# KiCad board mtk64_R_rev2.kicad_pcb (continued)
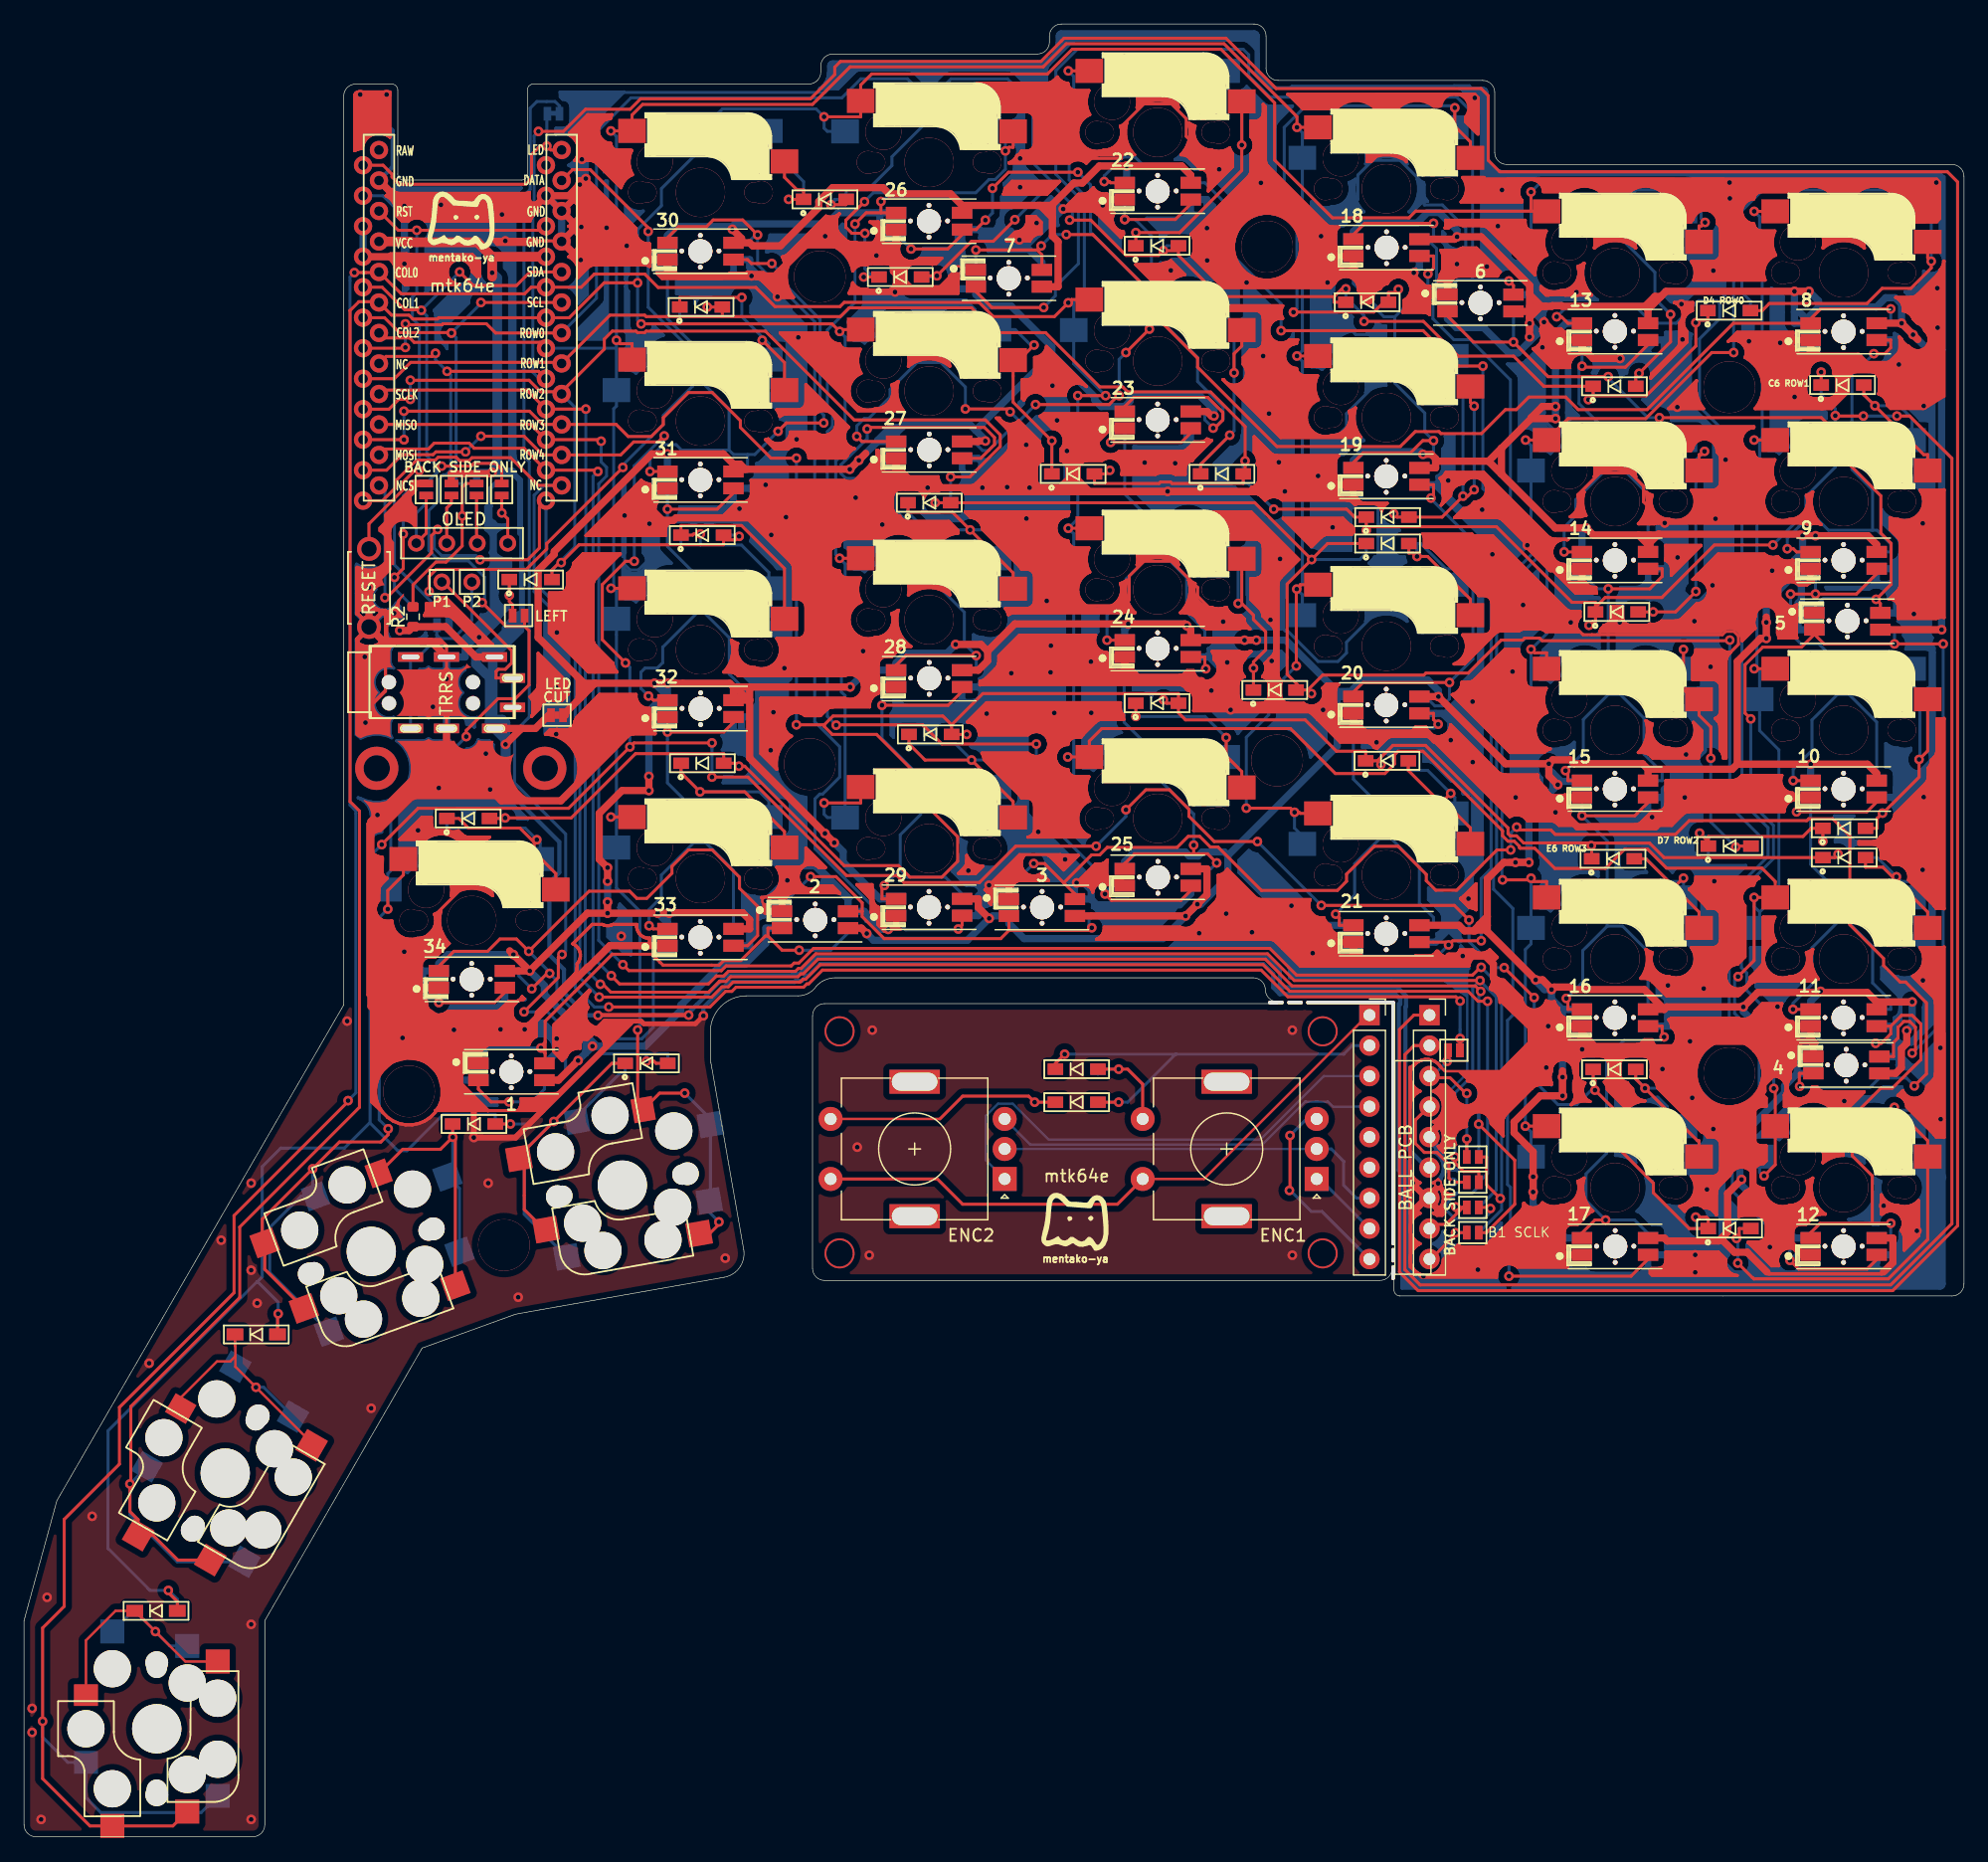
[diagram p0: board, top side]
## Routing (per net, layer and track width the routed paths; a pad name or vN(x,y) marks a point on that pad's centre or on a via; arc(x,y) is an arc through that point) (continued)
B1_SCLK: length 173.2
  Top w0.25: 57.93,71.25 57.91,71.23 ; 57.93,71.25 58.48,71.25 58.88,71.64 64.48,71.64 64.72,71.88 64.93,71.88 66.15,73.1 103.42,73.1 105.65,70.88 120.91,70.88 v5(121.37,70.42) ; 57.93,71.25 57.04,70.36 48.89,70.36 48.23,71.02 v2(48.02,71.02) ; v2(46.81,118.93) 43.5,118.93 v6(43.49,118.92) 41.89,120.51 29.9,120.51 v6(29.57,120.19) ; 121.21,50.33 121.85,50.33 121.85,50.34 124.2,52.69 124.2,56.36 v2(121.2,59.36)
  Bottom w0.2: 121.25,61.82 121.21,61.62 ; 121.21,62.23 121.25,62.03
  Bottom w0.25: 121.21,63.12 121.21,70.27 v5(121.37,70.42) ; 121.21,63.12 121.2,63.11 v2(121.2,59.36) ; 121.21,63.12 121.21,56.63 ; v2(48.02,71.02) 46.76,72.28 46.76,101.78 46.81,101.83 v2(46.81,118.93) ; 121.21,56.63 121.21,56.18 121.21,56.63
B2_MOSI: length 183.4
  Top w0.25: 119.45,51.99 118.48,51.01 117.21,51.01 116.87,50.67 116.87,51.19 ; 119.45,51.99 119.89,52.43 ; 119.45,51.99 119.28,52.15 v2(119.28,52.47) 119.52,52.47 119.57,52.43 119.89,52.43 ; 119.89,52.43 120.21,52.43 ; v6(29.57,115.11) 30.07,115.6 33.69,115.6 34.18,116.09 37.09,116.09 37.51,115.66 41.66,115.66 v6(43.49,113.84) 47.7,113.84 v2(47.81,113.73) ; v5(121.31,71.33) 105.84,71.33 103.61,73.55 65.97,73.55 64.75,72.33 64.51,72.33 64.28,72.09 58.69,72.09 58.29,71.7 57.7,71.7 ; 57.7,71.7 57.68,71.7 57.03,71.04 49.62,71.04 v2(48.93,71.73) ; 57.7,71.7 57.69,71.7 57.69,71.7 57.62,71.64 ; v2(119.21,56.63) 119.21,56.15 119.94,55.42 121.21,55.42 121.21,55.42 121.21,54.53
  Bottom w0.2: 119.21,61.62 119.18,61.82 119.18,61.89
  Bottom w0.25: v2(119.21,56.63) 119.23,56.64 119.23,61.97 120.7,63.44 120.7,70.72 v5(121.31,71.33) 121.48,71.15 121.48,71.13 122.66,69.95 122.66,53.88 121.21,52.43 ; v2(48.93,71.73) 47.41,73.25 47.41,113.33 v2(47.81,113.73) ; v2(119.28,52.47) 119.33,52.43 120.21,52.43
B3_MISO: length 171.9
  Top w0.25: v5(121.41,72.43) 121.34,72.43 120.69,71.78 106.02,71.78 103.8,74 65.78,74 64.56,72.78 64.16,72.78 63.93,72.54 58.5,72.54 58.1,72.15 58.1,72.15 50.39,72.15 v2(49.9,72.65) ; v6(29.57,117.65) 42.22,117.65 v6(43.49,116.38) 47.96,116.38 48.08,116.25 ; 120.21,50.77 120.21,50.33 119.57,50.33 119.56,50.32 119.27,50.32 119.27,50.16 118.66,49.55 118.66,49.55 117.23,48.13 116.66,48.13 ; 123,53.17 121.85,54.31 121.85,56.63 121.21,56.63
  Bottom w0.25: v5(121.41,72.43) 123.11,70.73 123.11,53.11 ; 123.11,53.11 123.11,52.23 121.21,50.33 ; 123.11,53.11 123.05,53.11 123,53.17 ; v2(49.9,72.65) 47.88,74.66 47.88,112.7 48.54,113.35 48.54,114.07 48.08,114.53 48.08,116.25 ; 120.21,50.33 119.57,50.33 119.56,50.32 119.27,50.32
  vias: v2(48.08,116.25) v2(119.27,50.32)
B5_ENC: length 160.9
  Top w0.25: v5(118.58,64.6) 118.58,65.25 ; 116.95,63.22 118.44,63.22 ; v6(44.79,112.57) 42.85,112.57 40.55,114.87 37.32,114.87 37.09,114.64 36.28,114.64 36.01,114.91 34.5,114.91 34.27,114.68 32.71,114.68 31,112.97 31,112.42 29.88,111.3 v6(28.25,111.3) ; v2(120.21,61.93) 120.31,61.83 ; v2(120.21,58.13) 120.21,56.63 ; v5(119.65,69.62) 119.3,69.97 105.3,69.97 103.08,72.2 66.53,72.2 65.38,71.05 65.22,71.05 64.95,70.77 59.32,70.77 58.98,70.42 58.45,70.42 57.15,69.12 v5(48.73,69.12) ; 118.35,63.22 118.75,63.22 ; 118.82,63.22 120.27,61.78 ; v5(119.65,66.5) 119.65,65.82 ; 118.64,65.53 118.64,65.53
  Bottom w0.25: v2(120.21,61.93) v2(120.21,58.13) 120.21,56.63 ; v5(48.73,69.12) 47.52,69.12 45.93,70.72 45.93,100.3 42.5,103.72 42.5,111.76 ; v5(119.65,69.62) v5(119.65,66.5) 119.65,65.75 ; 118.64,65.53 118.64,65.53 ; 43.33,112.57 42.5,111.74 ; 117.08,63.37 117.34,63.37 v5(118.58,64.6) 118.58,65.22 ; 44.9,112.57 43.45,112.57 ; 119.64,65.08 119.64,65.53 119.64,65.08
B6_NCS: length 12.5
  Top w0.2: 115.93,59.71 115.96,59.71 117.08,60.83
  Top w0.25: 120.14,54.53 v2(119.05,54.53) 118.72,54.86 118.72,56.02 117.73,57 116.67,57 115.93,57.75 115.93,59.71 116.87,60.65 116.87,60.83
  Bottom w0.25: 119.05,54.53 120.21,54.53
  vias: v2(122.18,52.34) v6(29.57,112.57)
C6_ROW1: length 324.1
  Top w0.25: 101.59,113.53 101.59,113.28 ; 101.59,113.28 101.59,112.73 95.65,112.73 95.53,112.85 94.69,112.85 94.56,112.73 89.19,112.73 89.19,113.53 90.16,113.53 v2(90.46,113.83) ; 101.59,113.28 101.74,113.43 101.74,117.47 98.86,120.35 91.96,120.35 91.54,120.77 89.63,120.77 85.12,125.29 81.01,125.29 78.94,127.36 68.74,127.36 68.01,126.63 58.18,126.63 ; v5(153.25,118.35) 150.95,118.35 v5(150.91,118.38) ; 111.84,109.13 111.84,109.93 110.86,109.93 110.2,110.59 104.13,110.59 ; 111.84,109.13 122.68,109.13 128.98,102.83 130.94,102.83 130.94,102.43 ; 111.84,109.13 v2(111.84,108.83) ; v2(130.39,100.92) 130.7,101.23 130.94,101.23 130.94,102.43 ; 130.94,102.43 131.74,103.23 136.46,103.23 140.83,107.6 v2(145.72,107.6) ; v5(156.05,118.35) 157.1,118.35 160.63,114.82 160.63,51.07 155.53,45.97 116.32,45.97 115.05,47.25 115.05,65.15 115.81,65.91 117.08,65.91 ; v6(28.25,121.46) 30.86,121.46 32.22,122.82 44.7,122.82 v6(44.79,122.73) 48.82,126.75 51.72,126.75 51.84,126.63 58.18,126.63 ; 149.74,120.93 v2(149.74,122.01) ; 58.18,126.63 58.18,127.43 v2(56.93,127.43)
  Bottom w0.25: 89.19,113.53 90.16,113.53 v2(90.46,113.83) ; 104.13,110.59 101.99,112.73 101.59,112.73 101.59,114.46 101.74,114.61 ; v2(145.72,107.6) 148.46,110.35 148.46,111.64 150.91,114.09 v5(150.91,118.38) 150.91,118.95 149.74,120.13 v2(149.74,122.01) ; 130.94,102.03 130.94,101.23 130.7,101.23 v2(130.39,100.92) ; 58.18,127.43 v2(56.93,127.43) ; v5(156.05,118.35) v5(153.25,118.35) ; 111.84,109.93 v2(111.84,108.83)
  vias: v2(101.74,114.61) v2(104.13,110.59)
F7_COL3: length 448.1
  Top w0.25: 31.61,81.45 31.61,80.12 30.31,78.82 30.31,77.28 ; 41.71,101.73 41.71,100.83 ; 41.71,100.83 40.16,100.83 38.17,102.81 ; 41.71,100.83 42.08,100.46 42.08,95.95 40.93,94.8 39.49,94.8 36.84,92.15 v2(36.84,91.64) ; 34.28,123.57 34.02,123.31 30.16,123.31 v6(29.57,122.73) ; v5(30.34,58.97) 30.34,58.49 29.73,57.88 26.28,57.88 v5(24.05,55.65) 19.85,51.45 19.85,50.47 ; 117.08,68.45 115.8,68.45 114.6,67.25 114.6,47.05 116.15,45.5 155.7,45.5 161.1,50.9 161.1,137.85 160.25,138.7 122.95,138.7 122,139.65 122,145.03 121.41,145.62 104.33,145.62 100.14,149.82 86.65,149.82 86.43,149.59 86.43,149.59 84.73,147.88 68.03,147.88 67.55,147.41 67.55,146.79 65.53,144.78 51.38,144.78 50.5,143.9 46.79,143.9 44.94,142.06 v5(42.86,142.06) ; SW2#2.1 20.06,47.28 SW2#2.2 ; v6(43.49,121.46) 42.87,122.07 v2(35.25,122.07)
  Bottom w0.25: 42.5,141.69 v5(42.86,142.06) ; v2(36.84,91.64) 30.56,85.36 30.56,80.48 30.31,80.23 30.31,77.28 29.6,76.57 29.6,59.72 v5(30.34,58.97) ; 34.28,123.57 34.28,123.04 v2(35.25,122.07) 35.55,121.77 35.55,113.84 35.16,113.45 34.94,113.45 34.56,113.07 34.56,111.3 33.73,110.47 33.73,107.15 34.6,106.28 37.02,106.28 38.38,104.92 38.38,103.02 38.17,102.81 ; SW2#2.2 20.48,47.01 20.48,50.75 23.07,53.35 SW2#2.2 24.05,53.58 v5(24.05,55.65) ; 42.93,121.47 43.61,121.47 ; 42.5,141.64 42.5,135.45 ; 42.88,121.5 42.39,122 42.39,135.31 42.51,135.43
  vias: v2(30.31,77.28) v2(34.28,123.57) v2(38.17,102.81)
LED: length 125.1
  Top w0.25: v6(28.25,139.24) 29.91,139.24 30.66,138.49 30.66,138.26 31.27,137.65 41.81,137.65 42.29,138.13 42.29,140.13 42.99,140.84 v2(43.56,140.84) ; v6(44.79,140.51) 43.89,140.51 v2(43.56,140.84) ; v2(40.41,61.22) 38.92,61.22 37.86,62.28 37.86,63.03 ; 37.86,62.63 37.86,63.03 ; 37.86,63.03 37.77,62.93 ; v5(41.66,68.71) 44.52,71.57 44.52,73.26 44.75,73.5 v5(44.82,73.5) ; v2(43.56,140.84) 43.54,140.86
  Bottom w0.25: 44.25,143.54 44.63,143.54 44.63,143.72 ; 40.34,61.22 v2(40.41,61.22) 42.3,61.22 43.36,62.28 43.36,63.03 44.46,63.03 45.12,63.68 45.12,67.21 43.61,68.71 v5(41.66,68.71) ; 43.59,143.53 43.56,143.49 v2(43.56,140.84) ; v5(44.82,73.5) 45.13,73.8 45.13,83.52 40.86,87.79 40.86,92.03 42.1,93.27 42.1,114.56 41.65,115 41.65,136.71 42.18,137.23 42.18,143.99 42.72,144.54 44.24,144.54 44.63,144.16 44.63,143.53
  Bottom w0.4: 43.7,143.57 44.5,143.57

## Copper pours and planes (outline as drawn; the poured copper is in the pictures)
GND on Top (solid shape): 35.41,71.23 33.71,71.23 33.71,70.23 35.41,70.23
GND on Top (solid shape): 36.25,98.68 34.15,98.68 34.15,97.88 36.25,97.88
GND on Top (solid shape): 36.25,92.73 34.15,92.73 34.15,91.93 36.25,91.93
GND on Top (solid shape): 38.71,64.93 37.01,64.93 37.01,63.93 38.71,63.93
GND on Top (solid shape): 48.85,67.95 50.6,67.95 49.05,66.5 48.8,68
GND on Top (solid shape): 54.46,131.88 52.76,131.88 52.76,130.88 54.46,130.88
GND on Top (solid shape): 54.46,112.83 52.76,112.83 52.76,111.83 54.46,111.83
GND on Top (solid shape): 54.46,93.78 52.76,93.78 52.76,92.78 54.46,92.78
GND on Top (solid shape): 54.46,74.73 52.76,74.73 52.76,73.73 54.46,73.73
GND on Top (solid shape): 64.01,77.59 62.31,77.59 62.31,76.59 64.01,76.59
GND on Top (solid shape): 73.51,134.38 71.81,134.38 71.81,133.38 73.51,133.38
GND on Top (solid shape): 73.51,115.33 71.81,115.33 71.81,114.33 73.51,114.33
GND on Top (solid shape): 73.51,96.28 71.81,96.28 71.81,95.28 73.51,95.28
GND on Top (solid shape): 73.51,77.23 71.81,77.23 71.81,76.23 73.51,76.23
GND on Top (solid shape): 80.16,131.02 78.46,131.02 78.46,130.02 80.16,130.02
GND on Top (solid shape): 82.91,78.61 81.21,78.61 81.21,77.61 82.91,77.61
GND on Top (solid shape): 92.56,136.88 90.86,136.88 90.86,135.88 92.56,135.88
GND on Top (solid shape): 92.56,117.83 90.86,117.83 90.86,116.83 92.56,116.83
GND on Top (solid shape): 92.56,98.78 90.86,98.78 90.86,97.78 92.56,97.78
GND on Top (solid shape): 92.56,79.73 90.86,79.73 90.86,78.73 92.56,78.73
GND on Top (solid shape): 111.61,132.18 109.91,132.18 109.91,131.18 111.61,131.18
GND on Top (solid shape): 111.61,113.13 109.91,113.13 109.91,112.13 111.61,112.13
GND on Top (solid shape): 111.61,94.08 109.91,94.08 109.91,93.08 111.61,93.08
GND on Top (solid shape): 111.61,75.03 109.91,75.03 109.91,74.03 111.61,74.03
GND on Top (solid shape): 119.45,128.96 117.75,128.96 117.75,127.96 119.45,127.96
GND on Top (solid shape): 130.66,125.18 128.96,125.18 128.96,124.18 130.66,124.18
GND on Top (solid shape): 130.66,106.13 128.96,106.13 128.96,105.13 130.66,105.13
GND on Top (solid shape): 130.66,87.08 128.96,87.08 128.96,86.08 130.66,86.08
GND on Top (solid shape): 130.66,68.03 128.96,68.03 128.96,67.03 130.66,67.03
GND on Top (solid shape): 130.66,48.98 128.96,48.98 128.96,47.98 130.66,47.98
GND on Top (solid shape): 149.71,125.18 148.01,125.18 148.01,124.18 149.71,124.18
GND on Top (solid shape): 149.71,106.13 148.01,106.13 148.01,105.13 149.71,105.13
GND on Top (solid shape): 149.71,87.08 148.01,87.08 148.01,86.08 149.71,86.08
GND on Top (solid shape): 149.71,68.03 148.01,68.03 148.01,67.03 149.71,67.03
GND on Top (solid shape): 149.71,48.98 148.01,48.98 148.01,47.98 149.71,47.98
GND on Top (solid shape): 149.94,65.49 148.24,65.49 148.24,64.49 149.94,64.49
GND on Top (solid shape): 150.02,102.45 148.32,102.45 148.32,101.45 150.02,101.45
GND on Top (solid shape): 37.25,67.3 37.2,64.15 36.5,63.45 36.5,62.75 31.85,67.35
GND on Top (solid shape): 49.1,67.5 49.05,66.5 48.45,65.9 48.1,66.65 47.4,67.05 48.55,68.05
GND on Top (solid shape): 87.84,81.75 85.35,81.75 85.44,81.7 85.56,81.61 85.58,81.58 86.62,80.54
GND on Top (solid shape): 43.2,60.6 42.95,60.5 41.2,60.5 41.53,61.45 42.65,61.5 43.05,61.9 44.45,61.95
GND on Top (solid shape): 42.6,132.7 42.83,132.85 42.9,132.89 42.83,132.92 42.61,133.06 39.02,133.06 39.43,132.65 42.55,132.65
GND on Top (solid shape): 139.92,118.98 139.62,119.43 139.41,119.94 139.3,120.48 139.3,121.02 139.35,121.29 137.03,118.97 139.93,118.97
GND on Top (solid shape): 84.67,136.83 84.72,136.83 85.22,136.83 86.29,137.9 82.34,137.9 81.73,137.28 81.73,137.22 81.69,137.02 81.61,136.83 84.62,136.83
GND on Top (solid shape): 120.98,79.39 119.93,78.34 119.91,78.31 119.79,78.21 119.68,78.15 119.72,78.12 119.74,78.09 120.43,77.4 120.5,77.4 120.7,77.36 120.88,77.28 120.98,77.22
GND on Top (solid shape): 38.55,60.54 34.4,60.54 34.71,60.89 34.9,61.99 34.46,63.64 33.3,64.69 31.9,64.84 30.71,64.54 29.6,63.49 29.3,62.44 29.32,61.27 29.95,60.25 28.93,61.2 29.02,62.37 29.02,69.97
GND on Top (solid shape): 139.73,107.57 136.79,107.57 136.8,107.53 136.8,106.53 136.79,106.4 136.77,106.33 136.78,106.33 136.91,106.26 137.03,106.17 137.12,106.05 137.19,105.92 137.23,105.77 137.25,105.63 137.25,105.59 137.25,105.09
GND on Top (solid shape): 47.08,70.48 46.8,69.5 47,69.1 46.8,68.7 46.8,68.1 47.1,67.75 47.7,67.35 46.4,66.45 46.35,65.75 45.55,65.5 44.8,64.65 44.1,65.4 44.1,67.65 47.08,70.48 47.1,70.55 47.15,70.55
GND on Top (solid shape): 129.86,110.02 130.06,110.06 130.14,110.06 129.98,110.44 129.88,110.96 129.88,111.49 129.98,112.01 129.98,112.02 129.76,111.87 129.45,111.75 129.49,111.66 129.55,111.37 129.55,111.08 129.49,110.79 129.38,110.52 129.21,110.28 129.01,110.07 128.83,109.96 129.72,109.96
GND on Top (solid shape): 48.93,143.44 48.82,143.11 48.33,142.97 47.84,142.34 47.89,141.72 48.5,141.12 48.8,141.05 49.17,140.54 50.57,140.54 50.4,139.39 50.67,138.47 50.12,138.1 49.73,137.38 47.63,139.5 47.19,139.63 46.03,139.64 46.22,140.78 45.81,141.53 45.49,141.85 45.49,141.98 45.5,141.99 46.99,143.45
GND on Top (solid shape): 79.88,80.84 79.76,80.84 79.48,80.9 79.21,81.01 78.96,81.17 78.76,81.38 78.59,81.62 78.55,81.74 78.55,81.29 78.55,81.25 78.53,81.1 78.49,80.96 78.42,80.83 78.33,80.71 78.3,80.69 77.86,80.25 79.29,80.25
GND on Top (solid shape): 83.83,133.01 83.94,133.18 84.08,133.32 84.25,133.43 84.44,133.51 84.64,133.55 84.75,133.55 84.75,134.49 84.28,134.96 83.56,134.96 83.59,134.8 83.59,134.6 83.55,134.4 83.47,134.21 83.36,134.04 83.22,133.9 83.05,133.78 82.86,133.7 82.66,133.66 82.6,133.66 81.87,132.94 83.8,132.94
GND on Top (solid shape): 95.11,129.02 95.34,129.37 95.64,129.66 95.99,129.9 96.38,130.06 96.71,130.12 95.67,131.16 95.65,131.19 95.55,131.3 95.42,131.21 95.23,131.13 95.03,131.09 94.82,131.02 94.67,130.98 94.53,130.96 94.49,130.97 92.62,130.97 94.95,128.64
GND on Top (solid shape): 27.59,140.47 27.84,140.58 28.11,140.63 28.18,140.63 28.18,140.64 28.23,140.91 28.34,141.17 28.49,141.4 28.68,141.59 28.91,141.74 29.17,141.85 29.44,141.9 29.71,141.9 29.98,141.85 30.24,141.74 30.46,141.59 30.48,141.58 30.48,145.34 27.92,145.34 27.82,145.33 27.76,145.31 27.7,145.28 27.65,145.24 27.61,145.19 27.58,145.13 27.56,145.07 27.55,144.97 27.55,140.45
GND on Top (solid shape): 38.03,99.3 38.15,99.31 39.04,99.31 35.13,103.23 34.94,103.19 34.68,103.19 34.64,103.2 34.55,103.07 34.41,102.93 34.24,102.81 34.05,102.74 33.85,102.7 33.64,102.7 33.52,102.72 33.52,102.65 33.52,102.25 33.51,102.09 33.46,101.93 33.38,101.78 33.34,101.74 35.08,101.74 35.13,101.74 35.31,101.72 35.49,101.67 35.65,101.58 35.79,101.46 35.82,101.43 37.97,99.28
GND on Top (solid shape): 142.69,46.63 142.69,46.75 142.49,46.79 142.3,46.87 142.13,46.98 141.99,47.13 141.87,47.3 141.79,47.49 141.75,47.69 141.75,47.89 141.79,48.09 141.19,48.69 141.15,48.7 136.95,48.7 136.9,48.69 136.8,48.7 136.8,47.98 136.79,47.85 136.75,47.73 136.69,47.62 136.61,47.52 136.51,47.44 136.4,47.39 136.28,47.35 136.16,47.34 135.49,47.39 135.34,47.26 135.34,46.89 135.6,46.63
GND on Top (solid shape): 108.05,108.24 108.07,108.27 108.19,108.36 108.32,108.43 108.46,108.47 108.61,108.49 108.65,108.49 110.62,108.49 110.65,108.56 110.73,108.65 110.8,108.71 110.8,108.72 110.8,108.93 110.8,108.94 110.73,109 110.65,109.1 110.6,109.21 110.59,109.21 110.57,109.22 110.44,109.29 110.32,109.39 110.3,109.41 109.88,109.83 104.92,109.83 107.28,107.47
GND on Top (solid shape): 77.09,122.76 77.09,123.18 77.15,123.52 76.94,123.61 76.59,123.85 76.29,124.14 76.06,124.49 75.9,124.88 75.81,125.3 75.81,125.72 75.9,126.13 76.06,126.52 76.11,126.6 74.71,126.6 74.76,126.52 74.92,126.13 75,125.72 75,125.3 74.92,124.88 74.76,124.49 74.53,124.14 74.23,123.85 73.88,123.61 73.67,123.52 73.74,123.18 73.74,122.76 73.68,122.5 73.7,122.51 74.14,122.81 74.63,123.01 75.15,123.11 75.67,123.11 76.19,123.01 76.68,122.81 77.12,122.51 77.14,122.5
GND on Top (solid shape): 96.14,144.31 96.14,144.73 96.2,145.07 95.99,145.16 95.64,145.4 95.34,145.69 95.11,146.04 94.95,146.43 94.87,146.85 94.87,147.27 94.95,147.68 95.11,148.07 95.16,148.14 93.76,148.14 93.81,148.07 93.97,147.68 94.06,147.27 94.06,146.85 93.97,146.43 93.81,146.04 93.58,145.69 93.28,145.4 92.93,145.16 92.72,145.07 92.78,144.73 92.78,144.31 92.73,144.05 92.75,144.06 93.19,144.36 93.68,144.56 94.2,144.66 94.72,144.66 95.24,144.56 95.73,144.36 96.17,144.06 96.19,144.05
GND on Top (solid shape): 134.24,113.56 134.24,113.98 134.3,114.32 134.09,114.41 133.74,114.65 133.44,114.94 133.21,115.29 133.05,115.68 132.97,116.1 132.97,116.52 133.05,116.93 133.21,117.32 133.24,117.37 131.88,117.37 131.91,117.32 132.07,116.93 132.16,116.52 132.16,116.1 132.07,115.68 131.91,115.29 131.68,114.94 131.38,114.65 131.03,114.41 130.82,114.32 130.89,113.98 130.89,113.56 130.83,113.3 130.85,113.31 131.29,113.61 131.78,113.81 132.3,113.91 132.82,113.91 133.34,113.81 133.83,113.61 134.27,113.31 134.29,113.3
GND on Top (solid shape): 42.95,93.99 42.97,94.12 43,94.24 43.06,94.35 43.14,94.45 43.24,94.53 43.35,94.59 43.47,94.62 43.59,94.64 44.23,94.64 44.35,94.62 44.41,94.61 44.47,94.62 44.59,94.64 44.8,94.64 45.31,95.15 45.31,96.1 42.84,98.57 42.84,95.99 42.84,95.95 42.83,95.8 42.79,95.66 42.71,95.52 42.62,95.41 42.59,95.39 42.16,94.96 42.21,94.93 42.28,94.83 42.34,94.72 42.38,94.6 42.39,94.48 42.39,93.68 42.38,93.55 42.34,93.43 42.29,93.32
GND on Top (solid shape): 89.07,78.83 89.15,79.02 89.26,79.19 89.4,79.33 89.57,79.45 89.76,79.53 89.96,79.57 90.17,79.57 90.22,79.55 90.22,79.73 90.23,79.85 90.26,79.93 90.23,80 90.22,80.13 90.22,81.13 90.23,81.25 90.27,81.35 90.19,81.28 90.17,81.25 90.05,81.15 89.92,81.08 89.77,81.04 89.63,81.03 89.59,81.03 89.27,81.03 87.7,79.46 87.92,79.24 88.41,79.24 88.53,79.23 88.65,79.19 88.76,79.14 88.86,79.06 88.94,78.96 89,78.85 89.04,78.73 89.04,78.69
GND on Top (solid shape): 96.14,106.21 96.14,106.63 96.2,106.97 95.99,107.06 95.64,107.3 95.34,107.59 95.11,107.94 94.95,108.33 94.87,108.75 94.87,109.17 94.95,109.58 95.11,109.97 95.34,110.32 95.39,110.37 93.53,110.37 93.58,110.32 93.81,109.97 93.97,109.58 94.06,109.17 94.06,108.75 93.97,108.33 93.81,107.94 93.58,107.59 93.28,107.3 92.93,107.06 92.72,106.97 92.78,106.63 92.78,106.21 92.73,105.95 92.75,105.96 93.19,106.26 93.68,106.46 94.2,106.56 94.72,106.56 95.24,106.46 95.73,106.26 96.17,105.96 96.19,105.95
GND on Top (solid shape): 127.17,128.46 127.35,128.48 127.4,128.47 128.05,128.47 128.1,128.48 128.28,128.46 128.41,128.42 130.62,128.42 130.47,128.56 130.18,129 129.98,129.49 129.88,130.01 129.88,130.54 129.98,131.06 129.98,131.07 129.76,130.92 129.45,130.8 129.49,130.71 129.55,130.42 129.55,130.13 129.49,129.84 129.38,129.57 129.21,129.33 129.01,129.12 128.76,128.96 128.49,128.85 128.21,128.79 128.04,128.79 127.94,128.75 127.64,128.69 127.32,128.69 127.02,128.75 126.73,128.87 126.47,129.04 126.38,129.13 126.38,128.84 126.81,128.42 127.03,128.42
GND on Top (solid shape): 157.85,50.07 157.85,52.99 157.7,52.84 157.44,52.67 157.15,52.55 156.85,52.49 156.53,52.49 156.23,52.55 156.13,52.59 155.96,52.59 155.68,52.65 155.41,52.76 155.16,52.92 154.96,53.13 154.79,53.37 154.75,53.47 154.75,51.86 154.83,51.86 154.88,51.91 155.05,52.02 155.23,52.1 155.43,52.14 155.64,52.14 155.84,52.1 156.03,52.02 156.2,51.91 156.34,51.76 156.45,51.59 156.53,51.4 156.57,51.2 156.57,51 156.53,50.8 156.45,50.61 156.39,50.52 156.49,50.4 156.58,50.23 156.63,50.06 156.65,49.88 156.65,49.83 156.65,48.87
GND on Top (solid shape): 138.53,124.49 138.53,125.42 138.49,125.46 138.38,125.63 138.3,125.82 138.26,126.02 138.26,126.23 138.3,126.43 138.38,126.61 138.49,126.78 138.63,126.93 138.8,127.04 138.99,127.12 139.01,127.12 139.01,127.6 139.02,127.73 139.04,127.8 137.51,127.8 137.67,127.73 137.84,127.62 137.99,127.47 138.1,127.3 138.18,127.11 138.22,126.91 138.22,126.71 138.18,126.51 138.1,126.32 137.99,126.15 137.94,126.11 137.94,124.56 137.95,124.52 137.93,124.38 137.89,124.23 137.82,124.1 137.72,123.98 137.69,123.96 135.6,121.86 135.6,121.8 135.56,121.6 135.53,121.53 135.54,121.5
GND on Top (solid shape): 29.9,81.54 29.85,80.19 30.15,79.79 29.65,79.24 29.55,78.09 29.26,77.44 29.3,76.94 29.71,76.34 30.65,76.29 30.96,75.24 31.76,74.84 32.6,74.79 33.55,74.94 34.51,76.04 35.21,74.69 35.4,74.44 34.35,73.34 33.51,73.29 33.15,72.79 33.1,70.54 33.15,69.84 33.51,69.69 33.65,68.99 34.46,68.44 35.1,68.59 35.4,68.79 39.45,68.75 40.45,69.6 41.15,69.6 40.7,69.1 40.75,68.25 41.1,67.85 41.65,67.6 42.65,67.65 42.6,66.65 42.05,66.05 38.8,66.05 38.05,65.45 38.05,64.9 37.15,64.9 35.65,66.45 35.65,67 32.15,67 28.85,70.2 28.96,81.89
GND on Top (solid shape): 125.9,130.12 125.9,130.43 125.96,130.74 126.08,131.03 126.25,131.29 126.47,131.51 126.73,131.68 126.9,131.75 126.86,131.8 126.7,132.19 126.62,132.61 126.62,133.03 126.7,133.44 126.83,133.76 125.71,133.76 125.59,133.77 125.47,133.81 125.36,133.87 125.26,133.94 125.18,134.04 125.12,134.15 125.08,134.27 125.07,134.4 125.07,134.65 118.44,134.65 118.47,134.5 118.47,134.3 118.43,134.1 118.39,134.01 118.67,134.01 118.74,134.08 118.91,134.19 119.1,134.27 119.3,134.31 119.5,134.31 119.7,134.27 119.85,134.21 121.36,134.21 121.4,134.22 121.59,134.2 121.76,134.14 121.93,134.06 122.07,133.94 122.1,133.9 125.9,130.1
GND on Top (solid shape): 83.36,119.79 83.48,119.96 83.62,120.11 83.79,120.22 83.98,120.3 84.18,120.34 84.38,120.34 84.58,120.3 84.77,120.22 84.94,120.11 84.98,120.06 86.76,120.06 86.76,120.15 86.8,120.35 86.88,120.54 86.99,120.71 87.14,120.85 87.31,120.96 87.5,121.04 87.7,121.08 87.9,121.08 88.1,121.04 88.29,120.96 88.46,120.85 88.5,120.81 88.53,120.81 85.19,124.14 85.15,123.96 85.08,123.77 84.96,123.6 84.82,123.46 84.65,123.34 84.46,123.27 84.26,123.23 84.2,123.23 84.2,122.01 84.19,121.88 84.15,121.76 84.09,121.65 84.01,121.55 83.91,121.48 83.8,121.42 83.68,121.38 83.56,121.37 83.17,121.37 83.17,119.82 83.31,119.67
GND on Top (solid shape): 72.97,75.59 72.95,75.59 72.79,75.75 72.79,76.6 72.81,76.6 72.81,76.85 72.79,76.85 72.79,76.87 72.53,76.87 72.53,76.85 71.33,76.85 71.18,77.01 71.17,77.23 71.18,77.35 71.2,77.42 71.19,77.42 71.06,77.49 70.94,77.59 70.85,77.7 70.78,77.83 70.74,77.98 70.72,78.13 70.72,78.16 70.72,78.86 70.69,78.94 70.65,79.14 70.65,79.31 69.39,79.31 70.35,78.36 70.37,78.34 70.47,78.22 70.54,78.09 70.58,77.95 70.6,77.8 70.59,77.76 70.59,77.13 70.6,77.09 70.59,77.05 70.59,76.96 71.17,76.38 71.18,76.44 71.33,76.6 72.53,76.6 72.53,75.75 72.37,75.59 71.97,75.59 71.98,75.58 72.98,75.58
GND on Top (solid shape): 139.5,89.95 139.54,90.15 139.62,90.33 139.74,90.5 139.78,90.55 139.78,92.14 139.08,92.83 139.16,92.64 139.22,92.33 139.22,92.02 139.16,91.71 139.04,91.42 138.87,91.17 138.65,90.94 138.39,90.77 138.1,90.65 137.8,90.59 137.48,90.59 137.18,90.65 137.08,90.69 136.91,90.69 136.63,90.75 136.36,90.86 136.11,91.02 135.91,91.23 135.74,91.47 135.63,91.74 135.58,92.03 135.58,92.32 135.63,92.61 135.67,92.7 135.36,92.82 135.14,92.97 135.14,92.96 135.25,92.44 135.25,91.91 135.14,91.39 134.94,90.9 134.65,90.46 134.5,90.32 134.81,90.32 134.85,90.32 135.04,90.31 135.21,90.25 135.37,90.17 135.52,90.05 135.55,90.01 135.7,89.86 139.5,89.86
GND on Top (solid shape): 36.26,129.31 36.2,129.31 36,129.35 35.81,129.43 35.64,129.54 35.49,129.69 35.38,129.86 35.3,130.04 35.26,130.24 35.26,130.45 35.3,130.65 35.38,130.84 35.49,131.01 35.64,131.15 35.81,131.26 36,131.34 36.2,131.38 36.4,131.38 36.6,131.34 36.79,131.26 36.96,131.15 37.1,131.01 37.21,130.84 37.29,130.65 37.33,130.45 37.33,130.39 37.74,129.98 37.97,129.98 37.97,131.19 37.37,131.79 32.3,131.79 32.24,131.78 32.04,131.8 31.88,131.85 30.51,131.85 30.46,131.8 30.24,131.65 30.16,131.62 30.24,131.58 30.46,131.43 30.66,131.24 30.81,131.01 30.92,130.75 30.97,130.48 30.97,130.21 30.94,130.05 31.25,129.75 31.31,129.71 31.43,129.62 31.45,129.59 31.75,129.29 36.28,129.29
GND on Top (solid shape): 141.81,97.84 141.8,97.89 141.82,98.07 141.88,98.25 141.96,98.41 142.08,98.55 142.12,98.58 142.18,98.65 142.02,98.65 141.82,98.69 141.63,98.76 141.47,98.87 139.3,98.87 139.3,98.8 139.26,98.6 139.18,98.41 139.06,98.24 139.02,98.2 139.02,96.39 140.71,96.39 140.83,96.38 140.95,96.35 141.06,96.29 141.16,96.21 141.24,96.11 141.3,96 141.34,95.88 141.35,95.76 141.35,93.76 141.34,93.63 141.3,93.51 141.24,93.4 141.16,93.3 141.06,93.23 140.95,93.17 140.91,93.15 141.05,93.01 141.08,92.99 141.17,92.88 141.24,92.74 141.29,92.6 141.3,92.45 141.3,92.41 141.3,90.55 141.34,90.5 141.46,90.33 141.53,90.15 141.57,89.95 141.57,89.86 141.81,89.86
GND on Top (solid shape): 100.7,139.12 100.7,140.21 100.66,140.26 100.54,140.43 100.46,140.61 100.45,140.68 100.29,140.57 100,140.45 99.7,140.39 99.38,140.39 99.08,140.45 98.98,140.49 98.81,140.49 98.53,140.55 98.26,140.66 98.01,140.82 97.81,141.03 97.64,141.27 97.53,141.54 97.47,141.83 97.47,142.12 97.53,142.41 97.57,142.5 97.26,142.62 97.04,142.77 97.04,142.76 97.15,142.24 97.15,141.71 97.04,141.19 96.84,140.7 96.55,140.26 96.39,140.11 96.45,140.12 96.64,140.1 96.81,140.04 96.98,139.96 97.12,139.84 97.15,139.8 97.84,139.11 97.87,139.08 97.99,138.94 98.01,138.91 98.06,138.91 98.18,138.9 98.3,138.87 98.41,138.81 98.51,138.73 98.59,138.63 98.65,138.52 98.69,138.4 98.7,138.28 98.7,137.28 98.69,137.15 98.67,137.09